# KiCad board v1c.kicad_pcb (continued)
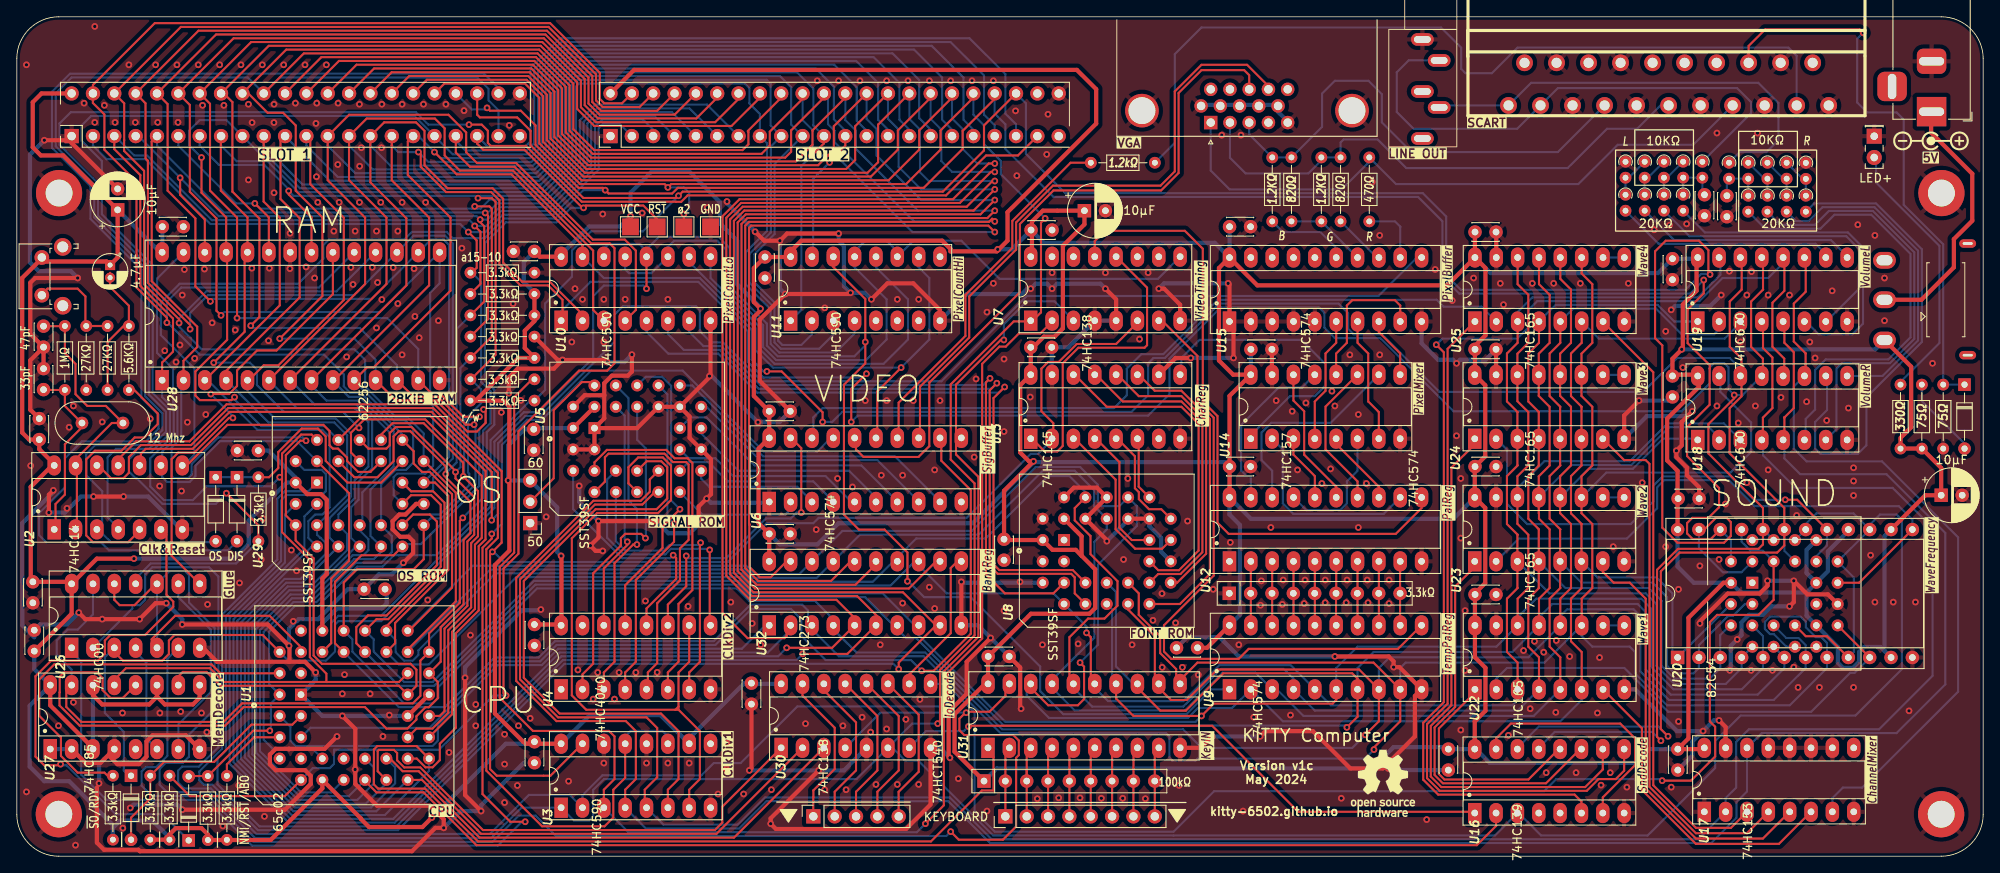
[diagram p0: board, top side]
## Nets
+5V: C1.1 C6.1 C7.1 C8.1 Cd1.1 Cd2.1 Cd3.1 Cd4.1 Cd5.1 Cd6.1 Cd7.1 Cd8.1 Cd9.1 Cd10.1 Cd11.1 Cd12.1 Cd13.1 Cd14.1 Cd15.1 Cd16.1 Cd17.1 Cd18.1 Cd19.1 Cd20.1 Cd22.1 Cd23.1 Cd24.1 Cd25.1 Cd26.1 Cd27.1 Cd28.1 Cd29.1 Cd30.1 Cd31.1 Cd32.1 J5.2 J6.2 J9.3 R1.2 R2.2 R3.2 R9.2 R11.2 R12.2 R38.1 R41.1 R42.2 R43.2 R44.2 RN2.1 SW1.2 SW2.1 TP1.1 U1.9 U1.37 U2.14 U3.10 U3.16 U4.16 U5.31 U5.32 U6.20 U7.16 U8.31 U8.32 U9.20 U10.16 U11.16 U12.20 U13.16 U14.16 U15.20 U16.16 U17.16 U18.16 U19.16 U20.11 U20.14 U20.16 U20.24 U21.13 U21.17 U21.19 U21.28 U22.16 U23.16 U24.16 U25.16 U26.14 U27.3 U27.9 U27.11 U27.14 U27.16 U28.28 U29.32 U30.16 U31.20 U32.20
GND: C2.2 C3.2 C4.1 C5.1 C6.2 C7.2 C8.2 Cd1.2 Cd2.2 Cd3.2 Cd4.2 Cd5.2 Cd6.2 Cd7.2 Cd8.2 Cd9.2 Cd10.2 Cd11.2 Cd12.2 Cd13.2 Cd14.2 Cd15.2 Cd16.2 Cd17.2 Cd18.2 Cd19.2 Cd20.2 Cd22.2 Cd23.2 Cd24.2 Cd25.2 Cd26.2 Cd27.2 Cd28.2 Cd29.2 Cd30.2 Cd31.2 Cd32.2 D3.1 H1.1 H2.1 H3.1 H4.1 J3.2 J4.4 J4.5 J4.8 J4.9 J4.13 J4.17 J4.18 J4.21 J5.1 J5.44 J6.1 J6.44 J7.0 J7.5 J7.6 J7.7 J7.8 J7.9 J7.10 J8.S J9.1 R4.2 R10.2 R13.2 R23.1 R32.1 R40.2 RN1.1 TP2.1 U1.1 U1.23 U1.24 U2.7 U3.8 U3.12 U3.14 U4.8 U5.1 U5.2 U5.3 U5.16 U5.22 U5.24 U5.30 U6.1 U6.10 U7.4 U7.5 U7.8 U8.1 U8.2 U8.3 U8.4 U8.16 U8.22 U8.24 U8.25 U8.28 U8.29 U8.30 U9.10 U10.8 U11.8 U12.1 U12.10 U13.8 U13.10 U13.15 U14.8 U14.15 U15.1 U15.2 U15.3 U15.4 U15.5 U15.10 U16.8 U17.1 U17.8 U17.10 U17.11 U17.12 U17.13 U17.15 U18.8 U19.8 U20.12 U21.14 U22.8 U22.15 U23.8 U23.15 U24.8 U24.15 U25.8 U25.15 U26.7 U27.1 U27.2 U27.4 U27.8 U28.14 U28.22 U29.16 U30.5 U30.8 U31.10 U32.10
VBUS: J3.1 SW2.2
1M: U3.2 U7.2 U26.2
3M: J5.36 J6.36 TP4.1 U1.41 U3.1 U7.1 U16.3 U20.9 U20.15 U20.18 U21.10 U21.18 U21.21 U26.5 U26.10 U26.12 U30.6
6M: U2.11 U3.15 U7.6 U13.2
12M: U2.12 U3.11 U3.13
750K: R8.2 U3.3 U6.11 U7.3
/Audio/Ch1: U17.6 U22.7
/Audio/Ch2: U17.5 U23.7
/Audio/Ch3: U17.4 U24.7
/Audio/Ch4: U17.3 U25.7
/Audio/L0: R19.2 U19.10
/Audio/L1: R20.2 U19.9
/Audio/L2: R21.2 U19.7
/Audio/L3: R22.2 U19.6
/Audio/Osc 1: U20.10 U21.12 U22.2
/Audio/Osc 2: U20.13 U21.16 U23.2
/Audio/Osc 3: U20.17 U21.20 U24.2
/Audio/R0: R28.2 U18.10
/Audio/R1: R29.2 U18.9
/Audio/R2: R30.2 U18.7
/Audio/R3: R31.2 U18.6
/Audio/Sout: U17.7 U18.11 U19.11
/Audio/volume: U16.6 U18.12 U19.12
/Audio/wave 1: U16.12 U22.1
/Audio/wave 2: U16.11 U23.1
/Audio/wave 3: U16.10 U24.1
/Audio/wave 4: U16.9 U25.1
/IO/BANK: U30.10 U32.11
/IO/KeyIN 0: J1.1 U30.15
/IO/KeyIN 1: J1.2 U30.14
/IO/KeyIN 2: J1.3 U30.13
/IO/KeyIN 3: J1.4 U30.12
/IO/KeyIN 4: J1.5 U30.11
/IO/KeyOUT 0: J2.8 RN2.9 U31.9
/IO/KeyOUT 1: J2.7 RN2.8 U31.8
/IO/KeyOUT 2: J2.6 RN2.7 U31.7
/IO/KeyOUT 3: J2.5 RN2.6 U31.6
/IO/KeyOUT 4: J2.4 RN2.5 U31.5
/IO/KeyOUT 5: J2.3 RN2.4 U31.4
/IO/KeyOUT 6: J2.2 RN2.3 U31.3
/IO/KeyOUT 7: J2.1 RN2.2 U31.2
/Video/bit 0: R14.1 U15.15
/Video/bit 1: R15.1 R16.1 U15.14
/Video/bit 2: R17.1 U15.13
/Video/bit 3: R18.1 U15.12
/Video/Pa0: U12.12 U14.2
/Video/Pa1: U12.13 U14.5
/Video/Pa2: U12.14 U14.11
/Video/Pa3: U12.15 U14.14
/Video/Pb0: U12.16 U14.3
/Video/Pb1: U12.17 U14.6
/Video/Pb2: U12.18 U14.10
/Video/Pb3: U12.19 U14.13
/Video/Y0: U8.8 U10.5
/Video/Y1: U8.7 U10.6
/Video/Y2: U8.6 U10.7
A0: J5.33 J6.33 U1.10 U10.15 U16.14 U18.14 U19.14 U20.19 U21.22 U28.10 U29.12
A1: J5.31 J6.31 U1.11 U10.1 U16.13 U18.13 U19.13 U20.20 U21.23 U28.9 U29.11
A2: J5.29 J6.29 U1.13 U10.2 U16.2 U28.8 U29.10
A3: J5.27 J6.27 U1.14 U10.3 U28.7 U29.9
A4: J5.25 J6.25 U1.15 U10.4 U28.6 U29.8 U30.1
A5: J5.23 J6.23 U1.16 U11.15 U28.5 U29.7 U30.2
A6: J5.21 J6.21 U1.17 U11.1 U28.4 U29.6 U30.3
A7: J5.19 J6.19 U1.18 U11.2 U28.3 U29.5 U31.1
A8: J5.17 J6.17 U1.19 U11.3 U28.25 U29.27
A9: J5.15 J6.15 U1.20 U11.4 U28.24 U29.26
A10: J5.13 J6.13 R8.1 U1.21 U28.21 U29.23
A11: J5.11 J6.11 R9.1 U1.22 U28.23 U29.25
A12: J5.9 J6.9 R10.1 U1.25 U27.10 U28.2 U29.4
A13: J5.7 J6.7 R11.1 U1.26 U27.12 U28.26 U29.28
A14: J5.5 J6.5 R12.1 U1.27 U27.13 U28.1 U29.29
A15: J5.3 J6.3 R13.1 U1.28 U26.13 U27.15
AudioMux0: U3.4 U5.12 U17.14 U18.5 U19.5
AudioMux1: U3.5 U5.11 U17.2 U18.4 U19.4
B0: J5.34 J6.34 U29.3 U32.2
B1: J5.32 J6.32 U29.2 U32.5
B2: J5.30 J6.30 U29.30 U32.6
B3: J5.28 J6.28 U29.1 U32.9
B4: J5.26 J6.26 U32.12
B5: J5.24 J6.24 U32.15
B6: J5.22 J6.22 U32.16
B7: D5.2 J5.20 J5.41 J6.20 U2.3 U32.19
BusDriver: D1.1 U1.40 U9.1 U10.12 U10.14 U11.14 U26.3
D0: J5.18 J6.18 U1.36 U8.12 U9.9 U18.15 U20.8 U21.9 U22.11 U23.11 U24.11 U25.11 U28.11 U29.13 U31.11 U32.3
D1: J5.16 J6.16 U1.35 U8.11 U9.8 U18.1 U20.7 U21.8 U22.12 U23.12 U24.12 U25.12 U28.12 U29.14 U31.12 U32.4
D2: J5.14 J6.14 U1.34 U8.10 U9.7 U18.2 U20.6 U21.7 U22.13 U23.13 U24.13 U25.13 U28.13 U29.15 U31.13 U32.7
D3: J5.12 J6.12 U1.33 U8.9 U9.6 U18.3 U20.5 U21.6 U22.14 U23.14 U24.14 U25.14 U28.15 U29.17 U31.14 U32.8
D4: J5.10 J6.10 U1.32 U8.5 U9.5 U19.15 U20.4 U21.5 U22.3 U23.3 U24.3 U25.3 U28.16 U29.18 U31.15 U32.13
D5: J5.8 J6.8 U1.31 U8.27 U9.4 U19.1 U20.3 U21.4 U22.4 U23.4 U24.4 U25.4 U28.17 U29.19 U31.16 U32.14
D6: J5.6 J6.6 U1.30 U8.26 U9.3 U19.2 U20.2 U21.3 U22.5 U23.5 U24.5 U25.5 U28.18 U29.20 U31.17 U32.17
D7: J5.4 J6.4 U1.29 U8.23 U9.2 U19.3 U20.1 U21.2 U22.6 U23.6 U24.6 U25.6 U28.19 U29.21 U31.18 U32.18
FX TICK: U6.18 U25.2
LEFT: J4.3 J8.T R27.1
R/~{W}: J5.40 J6.40 R2.1 U1.38 U2.9 U20.23 U21.27 U28.27 U29.31
RDY: D1.2 R1.1 U1.3
RIGHT: J4.1 J8.R R36.1
ROM DISABLE: D4.2 J5.42
VBlue: J4.7 J7.3 R14.2 R15.2
VGreen: J4.11 J7.2 R16.2 R17.2
VPixel: U6.17 U26.1
VRed: J4.15 J7.1 R18.2
VReset: U4.11 U6.19
~{6M}: U2.10 U15.11
~{B7}: J6.41 U2.4
~{CART}: J5.35 J6.35 R37.1 U26.11
~{ChrGet}: U7.12 U13.1
~{HSync}: J7.13 U6.16
~{IO}: U26.6 U30.4 U31.19
~{NMI}: J5.37 J6.37 R3.1 U1.7
~{OscWr}: U20.21 U21.24 U30.9
~{PalGet}: U7.7 U9.11
~{PalPush}: U7.13 U12.11
~{RAM}: U26.8 U28.20
~{RegTick}: U7.9 U10.11 U10.13 U11.11 U11.13
~{RESET}: D6.2 J5.39 J6.39 R43.1 TP3.1 U1.44
~{R}/W: J5.38 J6.38 U2.8 U20.22 U21.26 U29.24
~{Sync}: R39.1 U6.14
~{VIrq}: U1.5 U6.12
~{VolWr}: U16.1 U30.7
~{VP}: U1.2 U32.1
~{VReset}: U6.15 U10.10 U11.10
~{VSync}: J7.14 U6.13
Net-(C1-Pad2): C1.2 R5.2 R6.1
Net-(C2-Pad1): C2.1 R7.1 U2.1 Y1.1
Net-(C3-Pad1): C3.1 R7.2 U2.2 U2.13 Y1.2
Net-(C4-Pad2): C4.2 R22.1 R26.2 R27.2
Net-(C5-Pad2): C5.2 R31.1 R35.2 R36.2
Net-(D2-A): D2.2 R38.2
Net-(D2-K): D2.1 J4.16 R40.1
Net-(D3-A): D3.2 R41.2
Net-(D4-K): D4.1 D5.1 R37.2 U29.22
Net-(D6-K): D6.1 U2.6
Net-(J4-P19): J4.19 R39.2
Net-(J9-Pin_2): J9.2 U5.29
Net-(R4-Pad1): R4.1 R5.1 SW1.1
Net-(R6-Pad2): R6.2 U2.5
Net-(R19-Pad1): R19.1 R23.2 R24.1
Net-(R20-Pad1): R20.1 R24.2 R25.1
Net-(R21-Pad1): R21.1 R25.2 R26.1
Net-(R28-Pad1): R28.1 R32.2 R33.1
Net-(R29-Pad1): R29.1 R33.2 R34.1
Net-(R30-Pad1): R30.1 R34.2 R35.1
Net-(RN1-R1): RN1.2 U9.19 U12.2
Net-(RN1-R2): RN1.3 U9.18 U12.3
Net-(RN1-R3): RN1.4 U9.17 U12.4
Net-(RN1-R4): RN1.5 U9.16 U12.5
Net-(RN1-R5): RN1.6 U9.15 U12.6
Net-(RN1-R6): RN1.7 U9.14 U12.7
Net-(RN1-R7): RN1.8 U9.13 U12.8
Net-(RN1-R8): RN1.9 U9.12 U12.9
Net-(U1-~{SO}): R42.1 U1.42
Net-(U1-ϕ1): R44.1 U1.4
Net-(U3-Q6): U3.6 U5.10
Net-(U3-Q7): U3.7 U4.10 U5.9
Net-(U4-Q0): U4.9 U5.8
Net-(U4-Q1): U4.7 U5.7
Net-(U4-Q2): U4.6 U5.6
Net-(U4-Q3): U4.5 U5.5
Net-(U4-Q4): U4.3 U5.27
Net-(U4-Q5): U4.2 U5.26
Net-(U4-Q6): U4.4 U5.23
Net-(U4-Q7): U4.13 U5.25
Net-(U4-Q8): U4.12 U5.4
Net-(U4-Q9): U4.14 U5.28
Net-(U5-D0): U5.13 U6.2
Net-(U5-D1): U5.14 U6.3
Net-(U5-D2): U5.15 U6.4
Net-(U5-D3): U5.17 U6.5
Net-(U5-D4): U5.18 U6.6
Net-(U5-D5): U5.19 U6.7
Net-(U5-D6): U5.20 U6.8
Net-(U5-D7): U5.21 U6.9
Net-(U10-~{RCO}): U10.9 U11.12
Net-(U13-D0): U8.13 U13.11
Net-(U13-D1): U8.14 U13.12
Net-(U13-D2): U8.15 U13.13
Net-(U13-D3): U8.17 U13.14
Net-(U13-D4): U8.18 U13.3
Net-(U13-D5): U8.19 U13.4
Net-(U13-D6): U8.20 U13.5
Net-(U13-D7): U8.21 U13.6
Net-(U13-Q7): U13.9 U14.1
Net-(U14-Za): U14.4 U15.6
Net-(U14-Zb): U14.7 U15.7
Net-(U14-Zc): U14.9 U15.8
Net-(U14-Zd): U14.12 U15.9
Net-(U16A-O3): U16.7 U16.15
Net-(U22-DS): U22.9 U22.10
Net-(U23-DS): U23.9 U23.10
Net-(U24-DS): U24.9 U24.10
Net-(U25-DS): U25.9 U25.10
Net-(U27-Oa<b): U26.9 U27.7
Net-(U27-Oa=b): U26.4 U27.6

Pads without a net: J3 MP; J4 2 6 10 12 14 20; J5 43; J6 42 43; J7 4 11 12 15; J8 RN TN; SW2 3; U1 6 8 12 39 43; U3 9; U4 1 15; U7 10 11 14 15; U11 5 6 7 9; U13 7; U15 16 17 18 19; U16 4 5; U17 9; U21 1 11 15 25; U27 5

## Via types
v1: diameter 0.8, hole 0.4, Top to Bottom, 561 vias

## Routing (per net, layer and track width the routed paths; a pad name or vN(x,y) marks a point on that pad's centre or on a via; arc(x,y) is an arc through that point)
+5V: length 1357.9
  Top w0.5: 223.03,38.92 227.12,43 C6.1 229,46.26 R38.1 R41.1 224.16,49.67 ; U27.9 21.76,18.88 20.96,18.08 17.62,18.08 16.68,19.01 ; 120.8,71.33 120.8,75.61 122.09,76.9 C7.1 127.04,75.27 124.49,72.71 124.49,62.88 123.5,61.89 122.22,61.89 120.95,60.62 Cd3.1 U13.16 119.41,56.11 119.41,48.09 120.46,47.04 v1(120.99,47.04) 117.48,43.53 Cd6.1 117.58,37.67 U8.32 123.25,36.5 126.01,36.5 126.71,35.79 ; 224.16,49.83 225.43,51.1 225.43,58.31 SW2.1 ; 173.49,12.91 173.49,16.05 174.77,17.33 174.77,22.44 173.52,23.69 U22.16 173.52,31.31 174.74,32.54 174.74,41.5 U23.16 173.49,46.83 ; 173.57,74.36 173.52,74.31 U25.16 ; v1(13.94,35.45) 9.52,35.45 U26.14 6.29,32.69 Cd15.1 1.66,32.94 1.66,44 4.21,46.56 4.61,46.56 2.67,48.49 Cd27.1 1.47,49.63 0.64,50.47 0.64,68.89 3.11,71.36 3.62,70.85 10.67,70.85 C1.1 12,71.32 C8.1 5.52,83.48 2.86,83.48 1.9,84.44 1.9,89.83 2.94,90.87 J5.2 ; 124.62,40.2 126.71,38.12 126.71,35.79 ; Cd13.1 6.52,28.88 6.52,31.95 ; 9.06,20.38 9.06,19.18 10.16,18.08 15.75,18.08 16.68,19.01 ; 54.59,54.28 59.67,59.36 R9.2 61.6,59.39 60.45,60.54 60.45,62.6 61.6,63.75 61.6,66.81 61.77,66.97 ; U32.20 Cd4.1 88.27,39.67 88.27,48.56 U6.20 Cd7.1 87.71,54.84 87.71,64.23 88.5,65.02 v1(88.5,65.23) 87.71,66.02 87.71,70.06 Cd5.1 92.04,71.38 U11.16 ; U21.28 203.09,32.58 198.92,28.4 198.92,14.03 Cd22.1 200.67,12.76 U17.16 ; U25.16 170.21,68.01 147.62,68.01 U15.20 143.06,70.07 143.06,59.05 144.75,57.36 U14.16 144.32,54.84 144.32,42.75 U12.20 ; U25.16 174.77,70.07 174.77,62.05 173.52,60.8 173.52,57.38 U24.16 174.74,56.1 174.74,47.63 Cd9.1 ; R1.2 R3.2 18.17,2.59 18.93,3.35 21.98,3.35 22.74,2.59 R43.2 30.2,1.93 36.36,8.08 U1.9 40.94,4.51 40.94,4.45 41.92,3.47 48.27,3.47 v1(49.39,4.6) ; J6.2 73.45,93.67 126.15,93.67 128.44,91.38 128.44,87.27 117.89,76.72 117.89,73.33 116.62,72.06 111.11,72.06 111.11,72.34 110.12,73.33 93.35,73.33 92.08,72.06 ; U29.32 34.56,43.13 36.2,43.13 36.88,42.45 36.88,33.61 36.36,33.08 U1.37 ; 126.71,35.79 128.32,34.18 128.32,29.56 127.64,28.88 120.68,28.88 115.57,23.78 115.57,20.9 111.59,16.91 111.59,12.46 RN2.1 ; 198.13,60.37 198.25,60.49 198.25,65.72 199.89,67.36 199.89,71.03 200.19,71.32 200.18,71.32 ; 198.13,60.37 198.13,60.38 v1(198.12,60.38) ; 198.13,60.37 197.02,59.27 197.02,57.81 197.47,57.36 200.18,57.36 200.18,55.92 196.39,52.13 196.39,47.15 197.63,45.91 197.63,38.92 ; Cd8.1 64.67,27.61 64.78,27.5 64.81,27.55 64.81,35.74 v1(64.78,35.78) ; Cd1.1 141.63,24.83 144.31,27.5 ; U3.16 60.57,13.4 60.33,13.64 60.26,13.64 56.89,17 56.89,34.68 58.61,36.4 58.61,53.58 57.92,54.28 R2.2 ; U10.16 62.23,71.42 Cd19.1 ; 16.68,20.38 16.68,19.01 ; 9.06,12.76 9.06,12.89 3.98,17.97 U27.16 ; U5.31 66.2,51
  Bottom w0.5: 64.78,71.02 U10.16 64.78,71.68 68.11,75.02 71.8,75.02 v1(73.03,76.25) 73.03,79.04 75.57,81.58 80.02,81.58 83.66,77.93 83.66,75.39 85.73,73.33 85.73,68.12 88.5,65.35 v1(88.5,65.23) ; Cd12.1 144.32,71.33 U15.20 142.56,73.07 122.22,73.07 Cd29.1 118.4,72.3 v1(116.73,72.3) ; U25.16 175.36,69.47 195.31,69.47 Cd23.1 200.05,71.18 200.19,71.32 ; v1(13.94,35.45) 25.85,35.45 27.6,37.19 27.6,40 32.11,44.51 U29.32 33.18,45.09 29.95,48.32 Cd10.1 ; 144.31,27.5 145.56,28.75 145.56,39.45 144.31,40.7 U12.20 146.86,40.19 170.94,40.19 U23.16 ; Cd4.1 90.79,37.15 95.28,37.15 97.79,39.67 113.75,39.67 121.02,46.94 143.79,46.94 Cd26.1 ; U21.19 212.98,36.49 212.98,33.74 U21.17 ; U14.16 146.86,57.38 Cd17.1 ; Cd19.1 60.33,70.78 60.33,68.41 61.77,66.97 ; U1.37 36.36,27.76 38.11,29.51 43.41,29.51 44.01,30.11 44.01,31.52 ; 212.98,31.41 212.98,28.66 U21.13 216.7,24.94 216.7,23.06 217.33,22.42 218.47,22.42 219.24,23.19 219.24,24.33 219.83,24.92 221.78,24.92 U20.11 222.25,24.45 222.25,38.14 223.03,38.92 ; 212.98,31.41 205.14,31.41 U21.28 199.56,32.58 197.63,34.5 197.63,38.92 ; 212.98,31.41 U21.17 ; J9.3 64.31,41.55 64.31,36.25 v1(64.78,35.78) ; 79.64,13.4 U3.10 ; U3.10 80.02,14.06 86.57,20.62 Cd25.1 87.51,20.53 U30.16 ; U3.10 76.6,16.81 68.19,16.81 U3.16 58.19,13.4 v1(49.39,4.6) ; U21.17 215.52,33.95 215.52,36.31 217.95,38.74 217.95,38.92 ; 2.08,23.58 2.08,22.29 U27.16 1.53,17.93 1.53,10.68 3.27,8.94 6.23,8.94 11.44,3.73 R42.2 11.44,3.37 12.31,4.25 16.14,4.25 18.42,1.97 ; Cd31.1 60.4,50.86 58.46,48.93 v1(58.46,44.77) 61.52,44.77 ; v1(198.12,60.38) 221.14,60.38 SW2.1 ; Cd22.1 194.28,12.76 192.63,11.11 175.29,11.11 173.64,12.76 U16.16 Cd32.1 170.12,13 163.84,13 161.29,10.46 116.6,10.46 RN2.1 ; 9.06,12.76 9.06,20.38 ; 61.51,50.82 61.69,51 66.2,51 ; C8.1 17.05,71.95 U28.28 17.32,71.97 Cd18.1
GND: length 997.4
  Top w0.25: 60.34,90.91 59.22,90.91 59.4,90.91
  Top w0.5: Cd20.2 200.2,43.95 198.76,45.39 198.76,46.27 197.49,47.54 v1(197.49,48.31) 198.12,48.94 198.12,51.73 v1(199.4,53) ; 109.86,65.07 106.69,68.25 103.6,68.25 v1(101.69,66.34) ; 69.9,54.92 69.9,56.34 70.8,57.24 72.71,57.24 73.2,57.73 v1(73.2,59.75) ; 69.9,54.92 67.58,54.92 66.2,53.54 ; 69.9,54.92 69.9,52.16 U5.1 ; v1(99.21,67.12) 99.06,66.97 v1(91.44,66.97) 88.41,63.94 88.41,56.64 Cd7.2 ; v1(76.08,39.92) v1(69.22,39.92) 69.22,37.97 v1(68.25,37) 68.88,36.37 v1(69.73,36.37) ; 61.77,61.73 64.38,59.12 v1(64.94,59.12) ; v1(115.88,26.01) 113.03,23.16 113.03,19.35 110.89,17.2 110.89,11.88 v1(111.04,11.73) ; U21.14 215.52,31.2 213.08,31.2 v1(211.46,32.81) 211.46,30.27 v1(210.95,29.76) ; v1(129.54,67.61) 130.81,66.34 U7.5 ; v1(129.71,37.53) 129.71,37.66 127.16,40.2 U8.25 128.54,43.91 125.78,43.91 U8.29 ; U10.8 82.56,57.32 v1(82.43,57.2) 82.43,57.06 78.9,53.54 ; U29.16 47.53,41.97 46.26,40.7 45.51,40.7 44.72,39.91 44.72,38.95 45.62,38.05 46.64,38.05 47.16,37.53 47.16,36.12 v1(46,34.95) ; U17.15 203.35,15.39 v1(202.57,16.17) ; U5.1 U5.3 66.2,48.46 ; U5.1 73.82,51 U5.24 78.9,53.54 ; v1(156.85,23.8) 163.26,23.8 163.84,23.22 v1(163.84,22.53) 164.53,22.53 U9.10 166.38,19.09 166.38,14.27 162.56,10.46 158.68,10.46 154.24,14.91 148.59,14.91 v1(147.96,14.27) ; 21.13,12.76 U27.8 20.11,14.41 16.17,14.41 15.43,13.68 15.43,11.87 14.53,10.97 11.96,10.97 11.04,11.89 11.04,12.2 11.6,12.76 9.95,11.11 8.17,11.11 6.52,12.76 ; v1(200.28,27.73) 200.28,27.98 203.59,31.29 207.4,31.29 208.34,32.23 v1(208.34,32.81) ; v1(55.25,5.38) 53.34,7.28 v1(53.34,21.25) ; U32.10 v1(112.4,32.69) ; v1(135.9,67.61) 136.53,67.61 138.44,65.7 U7.8 ; v1(35.56,21.89) 34.3,23.16 32.39,23.16 ; v1(38.74,16.71) 40.28,15.17 40.28,10.35 v1(40.26,10.33) 40.28,10.32 40.28,8.61 42.87,6.01 49.18,6.01 50.81,4.39 v1(50.81,3.38) 49.81,3.38 47.03,0.6 14.64,0.6 14.47,0.77 10.37,0.77 9.53,1.61 9.53,8.18 ; v1(3.81,40.94) 3.81,43.06 v1(4.34,43.59) ; v1(3.28,85.29) 6.03,85.29 J5.1 6.52,84.98 C8.2 ; v1(7.24,68.88) 2.18,68.88 1.6,68.3 1.6,62.22 C3.2 1.6,59.06 1.6,53.2 Cd27.2 ; U31.10 140.88,12.91 v1(142.25,14.27) ; v1(97.79,74.17) 91.66,74.17 v1(90.81,73.33) 88.93,73.33 v1(87.86,74.39) ; U24.8 191.27,52.5 v1(193.04,54.28) ; v1(144.78,59.36) 144.78,63.22 U15.1 144.31,68.09 v1(144.15,68.25) ; 78.9,53.54 80.06,52.38 80.06,49.84 U5.16 82.6,47.3 82.6,43.12 v1(82.09,42.61) 81.14,41.66 v1(81.14,40.13) ; v1(64.94,59.12) 70,59.12 v1(70.25,58.87) ; v1(64.94,59.12) 63.91,58.08 59.61,58.08 58.55,57.03 v1(58.55,55.16) ; v1(7.37,29.02) 8.15,28.24 v1(10.16,28.24) v1(14.61,28.24) 16.52,30.14 v1(17.78,30.14) ; v1(19.69,27.61) 29.85,27.61 v1(32.39,25.06) 32.44,25.02 32.44,23.21 32.39,23.16 ; Cd30.2 176.06,74.33 U25.15 ; Cd28.2 176.03,57.36 U24.15 ; Cd25.2 87.42,10.48 v1(87.17,10.22) ; v1(139.71,59.36) 137.89,59.36 U13.10 ; U26.7 22.16,24.83 23.83,23.16 32.39,23.16 ; Cd17.2 149.36,57.38 U14.15 ; v1(119.51,17.57) 119.41,17.68 119.41,22.48 Cd2.2 ; 132.24,40.2 134.78,40.2 ; v1(38.11,14.27) 36.63,12.79 32.44,12.79 32.39,12.75 32.34,12.79 30.8,12.79 30.12,12.11 30.12,10.94 30.8,10.25 34.3,10.25 34.98,9.57 34.98,8.61 31.91,5.54 v1(19.69,5.54) ; v1(95.42,10.22) 89.71,4.51 v1(89.71,3.87) 90.34,3.24 105.81,3.24 108.74,6.16 U30.8 ; U1.23 U1.24 ; C2.2 3.18,60.59 ; v1(12.7,42.84) v1(9.13,42.84)
  Bottom w0.5: v1(84.51,78) 84.51,77.77 87.86,74.43 v1(87.86,74.39) ; 2.08,26.08 0.66,27.5 0.66,33.2 ; v1(69.22,39.92) 66.93,42.22 v1(66.93,44.11) ; U30.8 109.86,12.91 v1(111.04,11.73) ; v1(19.69,27.61) 19.69,28.24 v1(17.78,30.14) ; v1(87.17,10.22) 98.43,10.22 U30.5 ; v1(156.85,23.8) 145.42,23.8 143.14,26.08 139.26,26.08 Cd1.2 ; v1(200.66,14.91) 201.94,16.17 v1(202.57,16.17) ; v1(200.66,14.91) 197.57,14.91 192.6,19.88 U22.8 ; v1(200.66,14.91) 200.64,14.91 199.4,13.66 199.4,12 Cd22.2 ; 62.45,29.29 v1(62.36,29.38) 62.27,29.29 60.11,29.29 53.34,22.53 v1(53.34,21.25) ; Cd2.2 v1(115.88,26.01) 114.38,27.5 U32.10 ; v1(12.7,42.84) 15.63,42.84 19.54,38.94 19.85,38.94 ; v1(208.34,32.81) v1(211.46,32.81) ; Cd7.2 90.79,51.75 88.25,51.75 v1(88.2,51.7) 82.7,57.2 v1(82.43,57.2) ; v1(7.37,29.02) 5.96,27.61 2.75,27.61 Cd13.2 ; v1(91.44,66.97) 90.81,67.61 v1(90.81,73.33) ; v1(129.54,67.61) 128.95,68.2 123.79,68.2 v1(123.19,67.61) 122.6,68.2 121.25,68.2 v1(120.66,67.61) 120.25,67.61 119.61,66.97 113.03,66.97 U11.8 ; 151.24,87.53 150.09,88.67 150.09,89.51 140.93,89.51 ; v1(3.81,40.94) 5.72,40.94 5.97,41.19 v1(5.97,41.45) 6.23,41.45 7.62,42.84 v1(9.13,42.84) ; 122.08,32.58 119.49,32.58 v1(119.38,32.69) 119.28,32.58 112.5,32.58 v1(112.4,32.69) ; U24.8 193.97,52.43 198.82,52.43 v1(199.4,53) ; v1(32.39,25.06) 32.39,27.08 32.9,27.59 v1(32.9,27.99) 33.29,27.99 33.55,28.24 35.85,28.24 37.6,29.99 37.6,30.02 39.39,31.81 Cd14.2 43.08,33.57 44.62,33.57 v1(46,34.95) ; v1(144.15,68.25) 136.53,68.25 v1(135.9,67.61) ; v1(70.25,58.87) 72.32,58.87 v1(73.2,59.75) ; v1(13.5,5.75) 13.89,6.14 19.09,6.14 v1(19.69,5.54) ; 0.64,32.69 0.64,39.67 4.45,43.48 v1(4.34,43.59) ; v1(203.84,22.14) 203.96,22.27 203.96,25.06 v1(204.73,25.83) 205.24,26.33 205.24,27.85 206.13,28.75 207.78,28.75 208.79,29.76 v1(210.95,29.76) ; 137.32,35.12 136.16,36.29 136.16,37.93 134.78,39.31 134.78,40.2 ; 89.7,42.11 82.59,42.11 v1(82.09,42.61) ; v1(3.28,85.29) 1.57,83.59 1.57,70.73 2.6,69.7 6.42,69.7 v1(7.24,68.88) ; 6.52,12.76 U27.1 ; v1(163.2,10.46) 163.4,10.26 Cd32.2 ; v1(147.96,14.27) v1(142.25,14.27) ; U7.5 U7.4 125.1,60.62 Cd3.2 123.16,57.4 U13.15 ; U1.23 44.43,16.71 v1(44.33,16.81) 44.23,16.71 36.36,16.71 U1.1 35.56,21 v1(35.56,21.89) ; Cd24.2 196.59,54.28 v1(193.04,54.28) ; U15.10 167.17,61.1 169.13,59.14 170.91,59.14 v1(171.33,58.72) 171.75,59.14 174.78,59.14 Cd28.2 ; 11.6,12.76 9.78,10.94 v1(9.78,8.68) ; v1(196.87,65.09) 197.34,65.55 201.53,65.55 v1(202.82,66.85) ; 132.24,40.2 132.24,40.06 v1(129.71,37.53) ; v1(97.79,74.17) 97.79,73.33 98.43,72.69 98.43,67.9 v1(99.21,67.12) 100.91,67.12 v1(101.69,66.34) ; v1(81.14,40.13) 81.14,39.52 80.08,38.47 77.53,38.47 v1(76.08,39.92) ; v1(139.71,59.36) v1(144.78,59.36) ; v1(50.81,3.38) 52.81,5.38 v1(55.25,5.38) 55.25,6.06 60.33,11.13
  vias: v1(1.15,94.28) v1(1.15,7.67) v1(1.66,46.53) v1(4.96,15.54) v1(6.23,51.1) v1(6.74,53.64) v1(6.74,18.33) v1(6.99,1.32) v1(8.01,89.71) v1(9.28,98.85) v1(9.28,87.42) v1(10.16,51.73) v1(10.42,89.45) v1(11.69,87.42) v1(12.58,17.06) v1(12.62,3.35) v1(13.34,94.28) v1(14.1,87.42) v1(15.88,52.12) v1(16.52,94.28) v1(16.77,87.42) v1(17,44.1) v1(17.02,17.06) v1(17.61,60.22) v1(18.95,58.87) v1(19.05,94.28) v1(19.18,87.42) v1(19.41,60.9) v1(19.5,17.23) v1(19.6,43.5) v1(19.69,66.85) v1(19.94,69.9) v1(20.3,51.7) v1(21.16,59.3) v1(21.59,94.28) v1(21.98,17.06) v1(22.1,89.45) v1(22.33,69.95) v1(22.48,52.62) v1(22.61,14.78) v1(22.7,30) v1(23.25,63.55) v1(24.14,94.28) v1(24.52,3.6) v1(24.64,89.45) v1(25.99,62.68) v1(26.42,8.43) v1(26.5,32.56) v1(26.67,94.28) v1(27.56,89.58) v1(27.56,80.56) v1(28,87.4) v1(27.97,70.05) v1(29.09,35.35) v1(29.22,94.28) v1(29.3,40.2) v1(29.47,4.75) v1(29.95,61.41) v1(30.05,70.05) v1(30.61,89.58) v1(30.6,87.4) v1(30.61,79.04) v1(31.75,94.28) v1(32.52,74.21) v1(32.49,70) v1(32.67,36.47) v1(33.15,89.71) v1(33.3,34) v1(34.3,94.28) v1(34.42,70.2) v1(35.44,68.88) v1(35.6,87.3) v1(35.69,89.71) v1(35.66,80.94) v1(35.82,77.9) v1(36.83,94.28) v1(37.72,74.47) v1(38.23,89.71) v1(38.2,82.4) v1(38.36,77.9) v1(38.74,19.35) v1(38.99,21.64) v1(39.25,59.48) v1(39.76,70.15) v1(40.01,68.12) v1(40.26,74.47) v1(40.77,89.58) v1(40.8,82.2) v1(40.77,77.9) v1(41,84.4) v1(42.04,19.35) v1(42.3,70.15) v1(42.8,74.47) v1(42.8,62.94) v1(42.93,68.35) v1(43.31,77.9) v1(43.44,89.58) v1(43.4,84.4) v1(43.44,66.31) v1(43.57,14.27) v1(44.79,70.12) v1(45.34,74.47) v1(45.34,65.83) v1(45.85,89.58) v1(45.85,77.9) v1(45.85,59.74) v1(47.27,70) v1(47.38,64.31) v1(47.88,61.77) v1(48.39,89.58) v1(48.65,77.9) v1(48.9,30.53) v1(50.17,63.8) v1(51.06,89.58) v1(51.44,12.36) v1(52.96,72.44) v1(53.22,88.82) v1(53.98,26.33) v1(54.61,18.08) v1(54.61,15.54) v1(57.66,52.88) v1(58.04,14.52) v1(58.04,10.97) v1(58.04,6.4) v1(58.6,87.07) v1(59.06,65.83) v1(59.57,8.43) v1(59.69,15.54) v1(59.97,54.3) v1(61.09,16.43) v1(63,40.43) v1(65.66,8.94) v1(66.05,61.26) v1(66.43,67.61) v1(66.77,22.19) v1(67.31,66.34) v1(68.58,18.72) v1(69.13,21.89) v1(69.73,76.5) v1(69.86,66.34) v1(69.86,61.26) v1(69.86,11.09) v1(71.12,18.72) v1(71.67,21.89) v1(72.39,66.34) v1(73.67,21.89) v1(74.42,76.62) v1(74.8,30.4) v1(74.94,11.09) v1(76.2,21.91) v1(77.47,66.34) v1(77.47,11.09) v1(79.89,29.76) v1(80.02,11.09) v1(82.17,77.26) v1(83.44,7.41) v1(84.46,13.51) v1(84.46,10.37) v1(84.97,30.27) v1(84.97,25.7) v1(86.49,7.41) v1(87.51,27.73) v1(88.52,25.19) v1(89.79,7.92) v1(93.86,15.79) v1(95.13,38.91) v1(95.25,92.38) v1(96.14,65.32) v1(96.14,7.92) v1(97.67,45) v1(97.79,92.38) v1(98.3,15.54) v1(98.68,7.92) v1(99.45,43.99) v1(100.34,92.38) v1(100.59,16.56) v1(100.97,54.28) v1(101.6,14.78) v1(102.24,8.56) v1(102.75,25.19) v1(102.88,45.39) v1(103.51,92.38) v1(103.51,54.28) v1(103.51,15.16) v1(104.78,66.34) v1(104.78,8.56) v1(105.41,45.39) v1(105.41,30.14) v1(105.8,16.3) v1(106.05,92.38) v1(106.69,54.28) v1(107.32,66.34) v1(107.32,8.56) v1(107.47,18.69) v1(108.59,92.38) v1(108.59,32.05) v1(109.22,46.02) v1(109.22,29.51) v1(109.86,54.28) v1(111.13,92.38) v1(112.04,9.24) v1(113.67,92.38) v1(113.92,47.54) v1(114.15,56.86) v1(115.45,64.82) v1(115.45,5.38) v1(116.21,92.38) v1(116.21,68.25) v1(117.48,59.23) v1(117.48,50.59) v1(117.48,29.26) v1(118.85,88.79) v1(119,81.07) v1(120.6,54.7) v1(121.44,6.85) v1(122.05,25.19) v1(122.56,83.61) v1(122.71,88.39) v1(123.19,69.52) v1(123.98,6.95) v1(126.3,25.3) v1(126.52,6.95) v1(129.06,6.9) v1(129.54,69.52) v1(131.6,6.9) v1(131.7,35.35) v1(132.21,45) v1(132.72,25.19) v1(133.6,61.6) v1(134.29,6.85) v1(134.62,69.52) v1(135.2,28.1) v1(136.28,31.29) v1(136.3,22.5) v1(137.9,27.8) v1(138.31,8.43) v1(138.7,22.5) v1(139.32,39.92) v1(140.6,21.6) v1(142.37,31.8) v1(143.39,85.9) v1(144.4,37.38) v1(145.42,25.19) v1(145.67,85.9) v1(145.93,5.38) v1(147.2,16.56) v1(148,29.9) v1(148.1,32.8) v1(149.23,39.16) v1(149.87,54.28) v1(150.6,30) v1(150.7,32.9) v1(151.57,16.81) v1(151.77,53) v1(152.41,46.02) v1(153.2,30.1) v1(153.3,32.9) v1(153.4,54) v1(155.3,44.4) v1(155.7,32.9) v1(155.7,30.2) v1(156.34,46.15) v1(156.5,55.4) v1(156.85,53.64) v1(157.61,6.9) v1(158.2,30.2) v1(158.3,32.9) v1(158.63,59.74) v1(159.64,52.62) v1(159.64,39.16) v1(160.6,44.4) v1(160.7,32.9) v1(160.8,30.2) v1(161.29,80.31) v1(162.18,73.96) v1(162.18,59.74) v1(163.3,32.9) v1(163.3,30.1) v1(167.77,4.36) v1(168.79,69.9) v1(170.82,66.19) v1(171.33,50.08) v1(171.84,45) v1(171.84,37.89) v1(171.84,15.03) v1(172.34,29.26) v1(172.34,22.14) v1(173.36,68.88) v1(176.53,68.25) v1(176.92,65.7) v1(177.5,14.4) v1(179.3,24.5) v1(180.09,17.57) v1(180.34,68.25) v1(180.6,25.6) v1(181.7,24.3) v1(182,9.95) v1(182.88,68.25) v1(183.14,17.14) v1(183.2,25.7) v1(184.79,23.8) v1(185.55,9.95) v1(186.06,68.25) v1(188.09,17.06) v1(188.35,23.67) v1(188.52,8.47) v1(189.62,9.95) v1(189.97,36.88) v1(191.6,8.22) v1(191.78,68.25) v1(193.43,44.5) v1(194.85,74.62) v1(196.22,62.53) v1(196.22,36.88) v1(196.68,75.18) v1(196.88,8.22) v1(197.74,31.8) v1(197.74,16.05) v1(198.25,58.21) v1(198.71,75.33) v1(200.28,34.59) v1(202.32,86.15) v1(202.32,53.64) v1(202.57,35.35) v1(203.33,41.96) v1(203.79,69.69) v1(204.86,51.61) v1(205.11,61.26) v1(205.87,66.85) v1(205.87,44.5) v1(206.43,69.64) v1(206.38,22.14) v1(206.89,53.64) v1(207.14,86.15) v1(208.41,66.85) v1(208.41,46.02) v1(208.92,22.14) v1(209.94,54.66) v1(210.95,66.85) v1(211.46,22.53) v1(211.8,40.6) v1(211.97,20.11) v1(212.98,54.15) v1(213.37,61.26) v1(214,59.36) v1(214.51,20.11) v1(215.37,51.91) v1(216.03,67.36) v1(217.96,53.39) v1(218.57,46.27) v1(218.57,44.7) v1(218.57,42.97) v1(218.57,20.11) v1(219.08,75.23) v1(220.6,35.86) v1(221.11,73.96) v1(221.11,30.27) v1(222.25,68.88) v1(222.25,63.8) v1(223.3,30.27) v1(225.18,17.32) v1(225.94,30.27) v1(227.97,58.72)
VBUS: length 30.7
  Top w0.5: 222.77,66.29 226.65,66.29 230.51,70.15 230.51,73.51 232.7,75.7 232.7,81.3 227.8,86.2 227.8,88.6
1M: length 204.7
  Top w0.25: 123.34,63.71 123.22,63.71 121.79,62.28 119.25,62.28 117.68,60.7 116.93,60.7 114.88,58.66 114.88,25.95 110.76,21.84 110.76,19.08 v1(111.13,18.72)
  Bottom w0.25: v1(111.13,18.72) 110.26,17.84 92.88,17.84 86.14,11.09 82.94,11.09 81.48,9.64 69.69,9.64 67.31,7.27 U3.2 65.79,7.3 60.94,7.3 56.29,2.65 28.51,2.65 23.09,8.07 19.93,8.07 19.19,8.81 19.19,10.19 19.67,10.67 21.66,10.67 23.98,12.99 23.98,33.32 22.88,34.42 16.12,34.42 15.27,33.57 15.27,30.54 14.63,29.91 13.75,29.91 13.75,29.52 U26.2
3M: length 548.6
  Top w0.25: v1(122.38,75.98) 121.88,75.48 121.88,64.78 120.8,63.71 118.63,63.71 111.13,56.21 111.13,47.26 113.97,44.41 113.97,26.32 109.86,22.21 109.86,21.4 109.86,21.4 109.86,16.07 v1(109.59,15.79) ; 217.95,23.67 215.42,26.21 212.89,26.21 U21.10 ; 16.05,24.33 16.05,25.85 18.84,28.64 30.09,28.64 33.82,24.91 U1.41 ; J6.36 113.83,90.37 109.92,86.47 109.92,84.17 105.82,80.07 77.87,80.07 v1(77.47,79.67) 77.08,80.07 67.03,80.07 62.18,84.93 62.18,90.34 60.48,92.04 50.88,92.04 49.69,90.86 ; v1(79.38,76.5) 79.38,74.59 ; 16.05,31.95 14.01,29.91 12.24,29.91 11.6,30.54 11.6,31.95
  Bottom w0.25: U30.6 99.94,9.19 69.87,9.19 68.58,7.9 68.58,4.75 68.09,4.25 66.3,4.25 U3.1 60.05,5.78 56.42,2.15 28.37,2.15 22.91,7.62 17.88,7.62 17,8.5 17,10.41 17.71,11.12 19.75,11.12 20.49,11.86 20.49,14.49 23.53,17.53 23.53,27.19 20.49,30.23 20.49,33.48 20,33.97 18.21,33.97 U26.10 ; U30.6 106.54,15.79 v1(109.59,15.79) ; U30.6 104.23,12.91 105.07,12.07 105.07,12.04 105.73,11.38 107.28,11.38 116.19,2.47 175.9,2.47 U16.3 ; v1(77.47,79.67) 79.38,79.67 80.02,79.04 80.02,77.13 v1(79.38,76.5) ; U21.21 211.61,37.66 212.87,38.92 212.87,39.56 214.16,40.84 218.57,40.84 220.49,38.92 ; 220.49,38.92 220.49,39.48 221.72,40.7 223.69,40.7 224.33,40.07 224.33,22.29 218.8,16.76 205.13,16.76 202.1,13.73 202.1,10.5 194.07,2.47 181.39,2.47 178.57,5.29 ; 220.49,38.92 217.34,35.76 ; 217.95,23.67 218.6,24.33 218.6,33.19 216.69,35.11 217.34,35.76 ; 217.34,35.76 216.69,35.11 U21.18 ; 16.68,24.97 16.68,32.58 ; v1(122.38,75.98) 117.1,81.25 117.1,82.82 115.11,84.82 115.11,87.06 113.84,88.33 113.84,90.86 J6.36
6M: length 197.3
  Top w0.25: v1(56.59,36.26) 57.69,37.36 57.69,45.87 49.73,53.83 24.96,53.83 20.56,49.43 14.21,49.43 12.32,47.54 12.32,46.81 U2.11 12.23,46.56 ; 56.32,35.98 56.32,10.39 57.12,9.59 63.5,9.59 U3.15 ; 133.5,63.71 130.82,61.02 126.13,61.02 124,58.89 122.73,58.89 121.93,58.08 121.93,53 123.34,51.59 123.34,49.74
  Bottom w0.25: v1(56.59,36.26) 56.76,36.26 57.96,35.05 84.6,35.05 89.22,39.67 94.78,39.67 95.42,40.31 113.03,40.31 120.66,47.92 121.53,47.92 123.34,49.74
12M: length 127
  Top w0.25: U3.13 72.39,9.34 70.98,7.92 70.98,4.6 69.95,3.57 62.5,3.57 55.87,10.2 55.87,36.56 57.25,37.94 57.25,45.68 49.54,53.39 25.15,53.39 20.74,48.98 14.78,48.98 13.34,47.54 13.34,45.68 12.69,45.03 11.21,45.03 9.69,46.56
  Bottom w0.25: U3.11 77.47,14.27 76.82,14.92 73.05,14.92 72.39,14.27 U3.13
750K: length 180.7
  Top w0.25: v1(117.45,61.51) 117.09,61.51 111.76,56.18 111.76,47.86 114.43,45.2 114.43,26.13 110.31,22.02 110.31,6.06 v1(108.12,3.87) ; 61.67,56.81 61.32,56.81 59.19,54.68 59.19,36.16 57.47,34.44 57.47,18.88 61.42,14.92 70.47,14.92 71.12,14.27 71.12,9.19 69.86,7.92 U3.3
  Bottom w0.25: U3.3 72.78,2.85 107.1,2.85 v1(108.12,3.87) ; 125.88,63.71 123.49,66.1 120.19,66.1 117.45,63.37 v1(117.45,61.51)
/Audio/Ch1: length 38.3
  Top w0.25: U17.6 209.69,1.47 199.81,1.47 193.39,7.89 193.39,15.25 U22.7
/Audio/Ch2: length 51.2
  Top w0.25: U17.5 207.79,2.1 199.81,2.1 193.84,8.08 193.84,30.68 191.93,32.58 190.03,32.58 188.73,33.88 U23.7
/Audio/Ch3: length 62.8
  Top w0.25: U24.7 191.27,47.19 193.84,47.19 194.29,46.74 194.29,8.27 199.81,2.74 205.88,2.74 U17.4
/Audio/Ch4: length 71.8
  Top w0.25: U17.3 203.98,3.38 199.82,3.38 194.74,8.45 194.74,57.66 188.76,63.64 U25.7
/Audio/L0: length 26.5
  Bottom w0.25: R19.2 195.37,72.96 214.04,72.96 215.43,71.57 215.43,71.32
/Audio/L1: length 26.6
  Bottom w0.25: 217.97,71.32 215.88,73.41 197.21,73.41 R20.2
/Audio/L2: length 35.3
  Bottom w0.25: R21.2 199.04,73.86 217.71,73.86 219.25,72.32 219.25,67.63 215.43,63.81 215.43,63.7
/Audio/L3: length 40.3
  Bottom w0.25: R22.2 200.88,74.31 217.89,74.31 219.7,72.51 219.7,63.44 218.43,62.17 214.41,62.17 212.89,63.7
/Audio/Osc 1: length 56.5
  Top w0.25: U20.10 220.49,23.69 U21.12
  Bottom w0.25: U22.2 176.06,21.16 177.33,22.42 191.3,22.42 196.51,17.21 213.53,17.21 218.18,21.85 218.71,21.85 220.49,23.63 U20.10
/Audio/Osc 2: length 69.7
  Top w0.25: 225.57,38.92 219.23,32.58 U21.16
  Bottom w0.25: 225.57,38.92 225.57,40.09 223.96,41.7 206.79,41.7 206.38,42.11 ; 206.41,42.11 203.72,44.8 196.04,44.8 195.2,43.96 195.2,41.45 191.6,37.84 178.75,37.84 U23.2
